# KiCad board servo.kicad_pcb (continued)
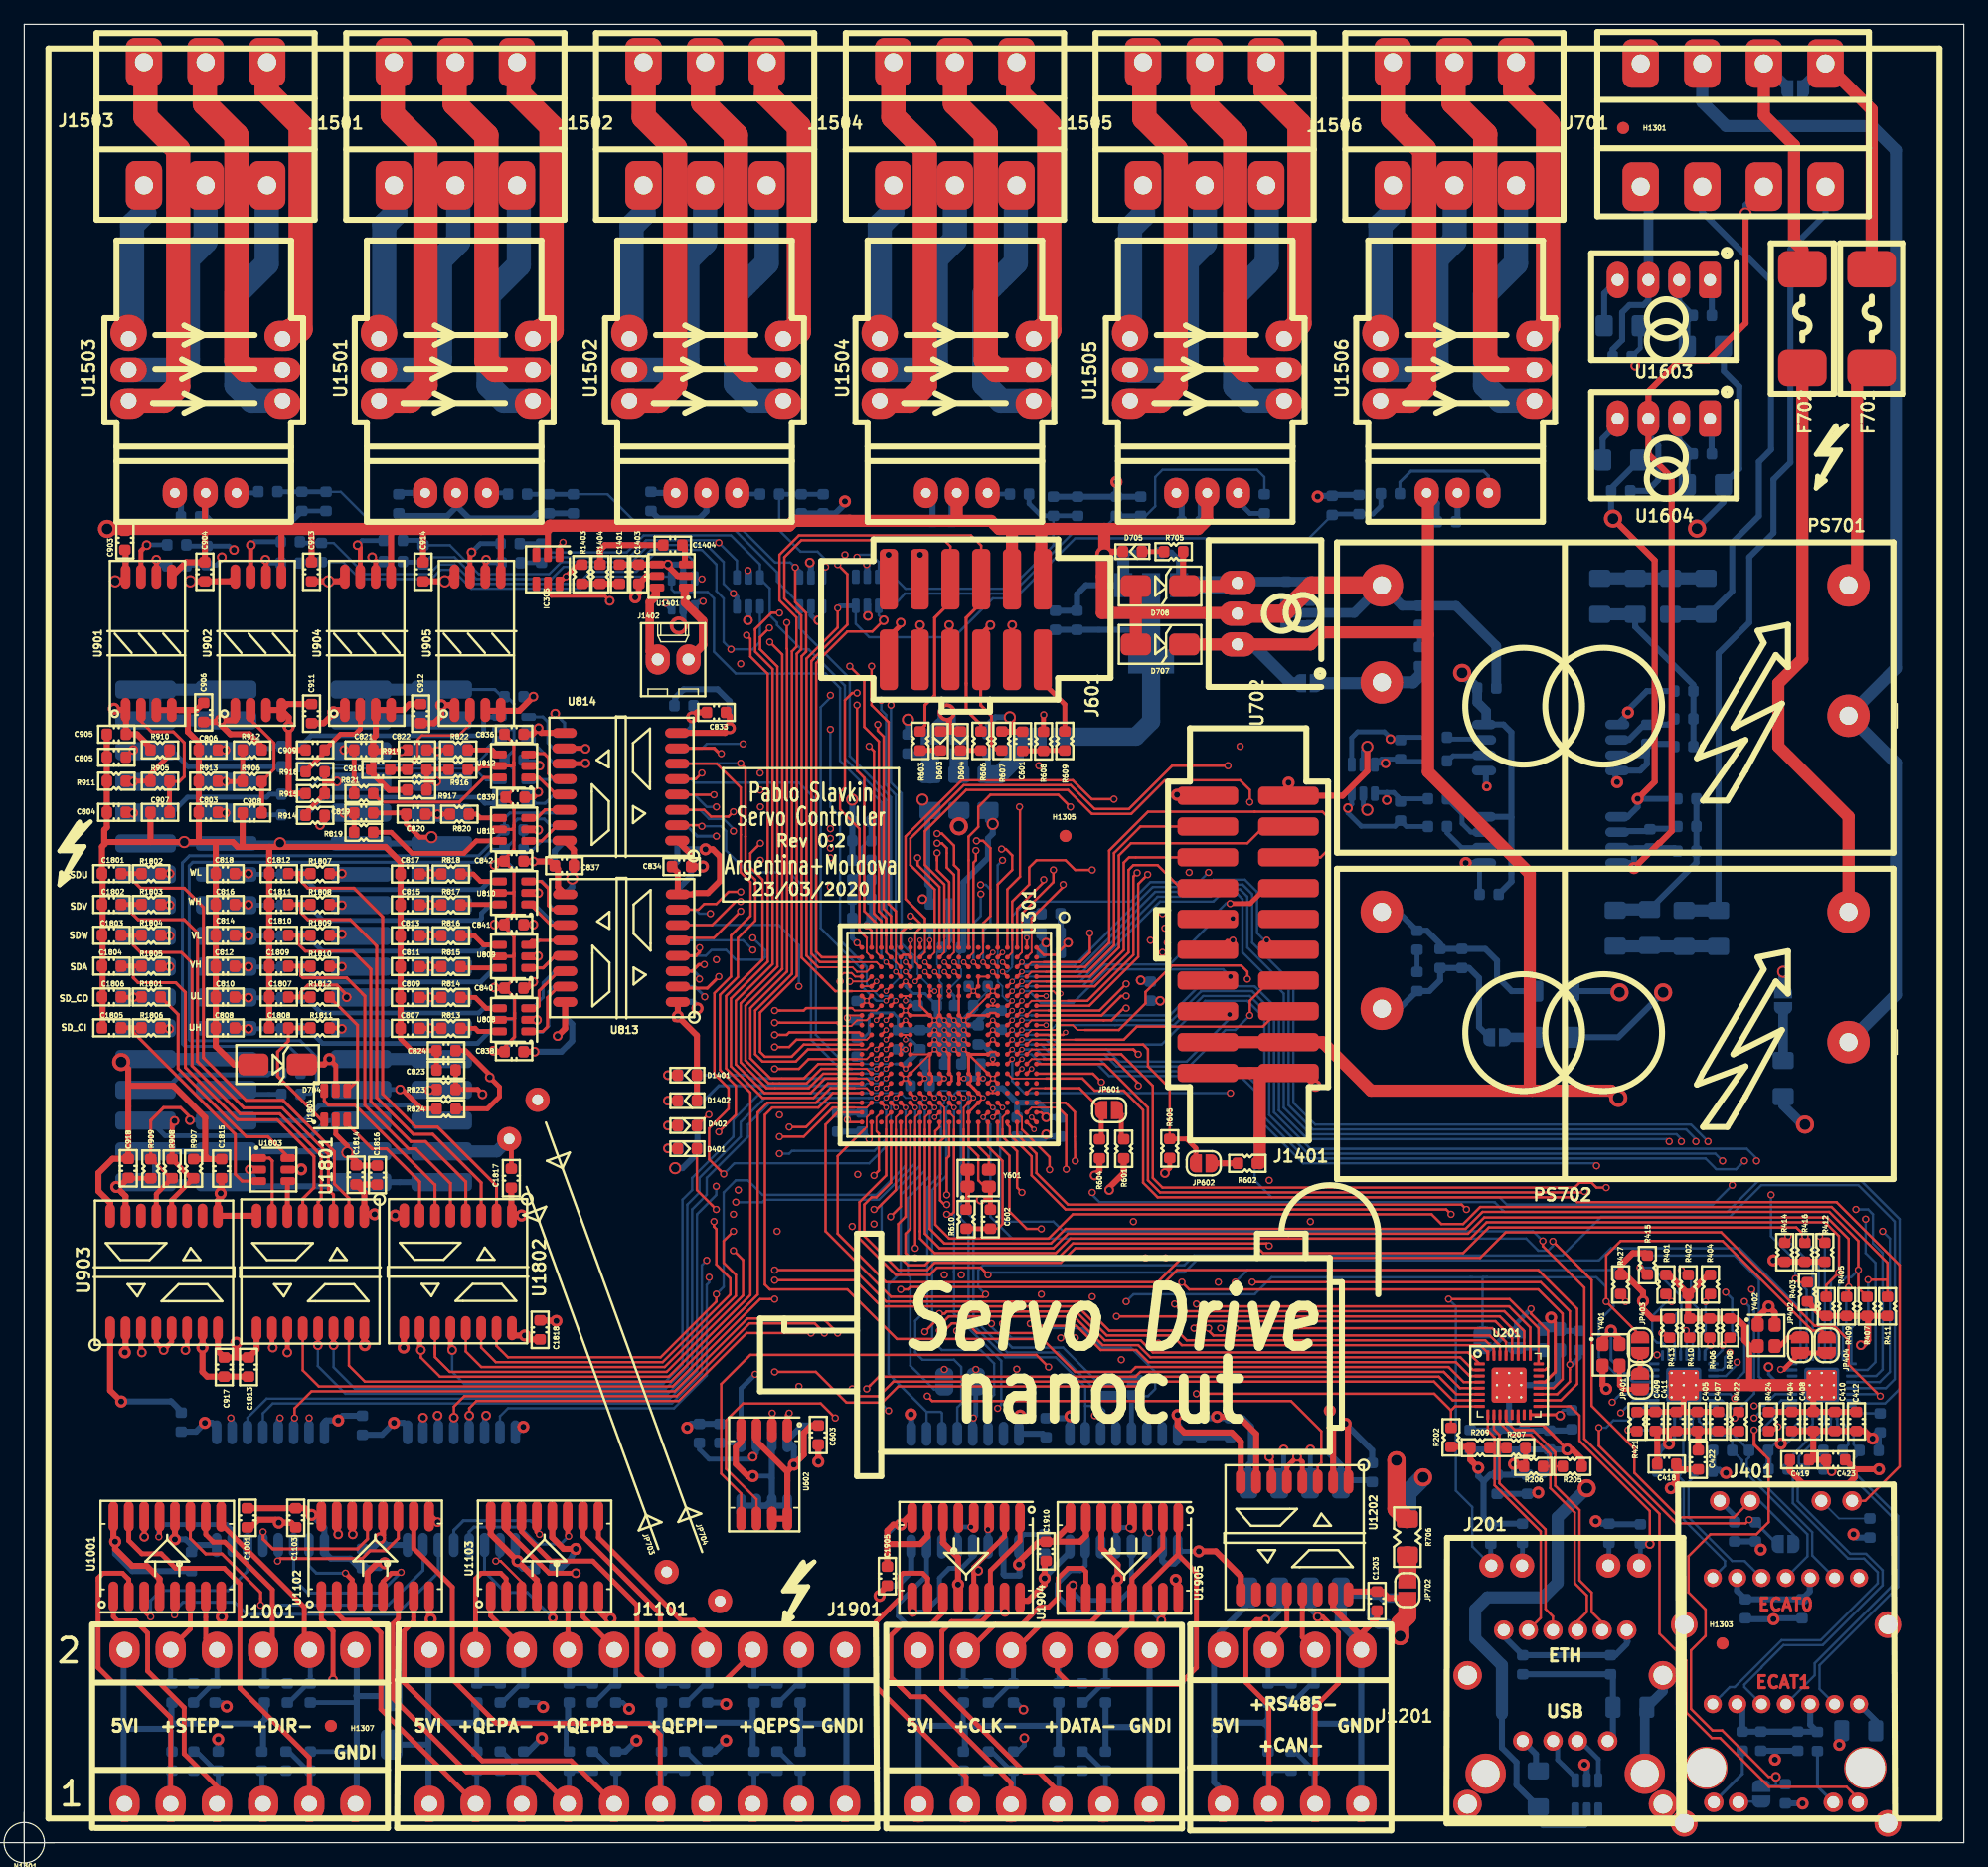
[diagram p0: board, top side]
## Routing (per net, layer and track width the routed paths; a pad name or vN(x,y) marks a point on that pad's centre or on a via; arc(x,y) is an arc through that point) (continued)
  Bottom w0.5: R437.1 143.9,32.32 R430.1 ; 126.65,42.35 126.65,42.35 126.61,42.35 ; 126.65,42.35 125.9,42.35 ; 126.65,42.35 126.65,42.36 ; 126.65,42.35 126.78,42.22 R204.2 ; v3(109.01,34.56) 111.2,32.37 C1204.2 ; 125.9,42.35 125.35,42.35 ; 125.9,42.35 125.96,42.4 v3(125.96,43.32) ; J401.9 141.3,21.84 141.3,20.78 C426.2 C428.2 147.3,20.73 147.3,21.81 J401.12 ; R208.1 130.78,26.26 R212.1 130.16,26.31 130.01,26.47 129.69,26.47 v3(129.64,26.52) ; 132.2,16.4 131.26,15.47 C214.2 ; R420.2 R419.2 ; R419.2 55.53,56.87 54.3,55.64 v7(53.7,55.64) ; R419.2 55.5,57.24 ; 122.68,84.58 122.68,91.59 122.03,92.24 120.58,92.24 ; 122.68,84.58 122.68,79.28 ; 122.68,84.58 122.64,84.62 120.58,84.62 ; 120.39,29.8 120.39,26.83 R211.1 121.06,26.31 R213.1 ; 120.39,29.8 120.94,30.35 C209.1 ; 120.39,29.8 119.95,30.24 v3(119.95,30.93) 119.28,31.6 C204.1 119.33,32.44 122.9,32.44 ; J401.5 147.33,9.74 R441.1 147.9,9.17 R442.1 141.73,11.01 J401.2 ; C1901.2 86.11,35.03 ; C703.2 94.62,106.43 95.26,105.78 U706.3 ; J201.7 132.2,16.7 132.28,16.61 ; U1908.1 86.26,34.88 ; 59.74,104.27 59.74,104.88 59.69,104.93 ; v3(152.47,33.34) 152.47,33.47 152.96,33.96 152.97,33.95 R440.1 ; 55.22,93.8 C825.1 55.21,92.95 v3(55.1,92.84) 55.1,92.04 54.58,91.52 U802.1 54.38,91.52 ; C209.1 122.9,30.35 ; C209.1 C202.2 ; C826.1 55.08,80.53 v3(55.99,80.53) ; C826.1 55.17,80.54 ; C826.1 55,80.48 55,79.74 53.93,78.67 U801.1 ; 122.68,79.28 122.69,79.29 ; 122.68,79.28 C1604.2 ; v4(149.1,30.64) 148.92,30.82 R432.1 148.44,32.33 R438.1 ; R435.1 139.31,32.35 139.31,30.75 139.84,30.75 140.09,30.51 v3(140.39,30.51) ; 122.9,30.35 C211.1 125.41,30.35 125.83,30.77 C207.1 ; 122.9,30.35 v3(122.9,31.24) 122.9,32.44 ; C429.2 C427.2 ; R446.1 R433.1 143.25,24.41 v3(143.25,24.18) 143.05,24.38 ; U1101.16 24.77,34.7 24.9,34.84 v3(25.9,34.84) 26.29,35.23 C1106.2 ; v3(146.7,3.24) 146.69,3.25 R434.1 ; 122.9,32.44 C207.1 ; C207.1 v3(127.28,32.44) ; 97.21,35.14 C1914.2 98.29,35.03 v3(98.4,35.14) 98.51,35.03 C1201.2 100.51,35.03 101.2,34.34 101.2,31.37 100.99,31.16 100.99,29.9 ; v3(63.49,31.19) 63.49,32.66 U401.8 64.16,34.43 C603.2 ; v3(135.69,32.92) 135.46,32.92 134.87,32.33 134.87,30.75 ; U1104.16 40.56,33.81 40.67,33.81 v3(41.17,34.31) ; v3(73.14,35.34) 73.17,35.32 U1901.1 ; v1(54,100.4) 54.38,100.78 54.38,102 ; C1101.2 12.95,35.59 12.12,36.42 12.1,36.4 v3(8,36.4) ; R417.1 R418.1 55.02,34.56 v3(54.7,34.24) ; 69.54,105.4 69.55,105.4 69.55,104.33 ; R445.1 151.17,25.17 v3(150.9,25.44) ; C216.2 C214.2 ; C214.2 122.05,17.04
  Bottom w0.8: U702.3 100.21,104.03 C705.2 C704.2 ; U702.3 100.19,103.83 ; U702.3 100.41,104.23 ; 120.6,92.42 120.6,93.34 119.86,94.08 C1603.2 v1(118.62,96.49)
  Bottom w1.5: 76.1,92.09 75.7,92.09 75.05,91.44 ; 76.1,92.09 76.75,91.44 ; 76.1,92.09 v1(76.1,93.24) ; U702.3 99.91,103.73 U706.3
  vias: v7(13.7,104.05)
3V3A: length 44.5
  Top w0.152: v2(72.7,69.44) 72.7,69.84 ; U301.P6 U301.R6
  Vcc.Cu w0.5: 71.1,85.84 71.1,77.84 ; 71.1,77.84 v4(74.1,77.84) ; 71.1,77.84 71.1,74.64 70.3,73.84 70.3,72.24 72.7,69.84 v2(72.7,69.44) ; v7(68.3,86.04) v7(74.1,86.04)
  Bottom w0.152: 73.9,85.84 74.6,85.14 L502.2 74.2,85.14
  Bottom w0.25: 74.73,84.87 L502.2 ; v2(72.7,69.44) 73.1,69.44 73.5,69.04 C520.1
  Bottom w0.5: L502.2 74.5,84.91 74.5,79.04 74.71,78.83 C529.2 74.31,77.84 v4(74.1,77.84) ; R301.2 C304.1 68.31,86.03 v7(68.3,86.04)
3V3uC: length 248
  Top w0.152: v2(79.9,69.44) 79.9,69.04 ; 79.9,69.04 U301.F7 ; 79.9,69.04 U301.E7 ; U301.F16 79.9,61.84 ; 79.9,61.84 v2(79.9,62.24) ; 79.9,61.84 U301.E16 ; v2(78.3,70.24) U301.G5 U301.G4 U301.F4 ; v2(78.3,70.24) U301.G6 ; v2(78.3,70.24) U301.H6 ; v2(78.3,70.24) U301.H5 ; U301.A9 v2(84.3,67.44) ; 72.3,65.44 U301.R11 ; 72.3,65.44 v2(72.7,65.44) ; 72.3,65.44 U301.R12 72.3,65.24 ; U301.M6 74.7,70.24 ; 74.7,70.24 v2(75.1,70.24) ; 74.7,70.24 U301.M5 ; v5(67.9,68.04) 68.1,68.24 U301.W8 ; U301.H17 77.5,60.64 77.5,58.84
  Top w0.2: v4(84.3,59.84) 83.9,60.24 U301.A18 ; U301.N14 73.92,63.44 v2(74.31,63.05) U301.N15 ; U301.V19 69.9,58.24 v5(69.7,58.04) ; 77.5,58.84 77.5,55.84 Y601.4 ; U301.E10 v2(79.9,67.04) U301.F10 ; U301.L14 v2(75.9,63.04) U301.L15 ; U301.P9 v2(72.7,67.84) U301.R9 ; U301.H16 v2(78.3,61.44) U301.H17 ; U301.B1 v2(82.7,74.64) ; 77.83,52.37 77.7,52.24 ; U301.M1 v2(74.7,74.44) U301.M1
  Top w0.25: U301.F13 79.9,64.24 ; 79.9,64.24 U301.E13 ; 79.9,64.24 v2(79.9,64.64)
  Top w0.4: 94.5,56.24 94.5,55.64 v4(94.1,55.24) ; 77.83,52.37 Y601.1 Y601.4
  Top w0.5: R604.1 88.7,55.44 v4(88.3,55.04)
  Vcc.Cu w0.152: 77.1,74.64 77.1,70.99 ; 74.21,63.05 v2(74.31,63.05) ; U301.H5 77.9,73.44 ; 73.5,71.84 74.3,71.04 ; 71.9,62.64 67.9,62.64 ; 71.9,63.44 67.9,63.44 ; 71.9,65.84 70.7,65.84 70.3,66.24 67.9,66.24 ; 71.9,64.24 67.9,64.24 ; 72.23,67.44 70.7,67.44 70.3,67.04 67.9,67.04 ; 68.01,61.94 67.9,61.84 ; 72.5,62.24 72.5,61.24 72.3,61.04 72.3,59.44 ; 73.1,59.44 73.1,61.04 72.9,61.24 72.9,62.24 ; 74.9,73.44 74.9,72.44 74.7,72.24 74.7,70.99 ; 76.3,70.99 76.3,73.44 ; 79.3,74.64 79.3,73.24 79.5,73.04 79.5,72.24 79.3,72.04 79.3,70.99 ; 75.5,70.99 75.5,73.44 ; 71.9,66.64 67.9,66.64 ; v2(79.9,67.04) 80.3,67.04 80.7,67.44 83.3,67.44 ; 78.72,73.44 78.72,70.66 v2(78.3,70.24)
  Vcc.Cu w0.4: 74.9,73.44 74.9,74.64 ; 77.29,74.65 77.1,74.46 77.1,73.44 ; 78.7,70.99 78.72,71.01 78.72,71.84 ; 77.9,71.84 77.9,70.99 ; 76.3,73.44 76.3,74.64 ; 77.9,73.44 77.9,74.64 ; 75.5,73.44 75.5,74.64 ; 74.7,74.12 v2(74.7,74.44)
  Vcc.Cu w0.5: 75.1,70.99 74.35,70.99 74.3,71.04 ; 75.1,70.99 v2(75.1,70.24) 74.7,70.24 73.5,69.04 73.5,68.44 72.9,67.84 v2(72.7,67.84) 72.5,67.76 ; 75.1,70.99 77.55,70.99 ; 77.55,70.99 79.5,70.99 ; 77.55,70.99 U301.H5 v2(78.3,70.24) 79.1,69.44 v2(79.9,69.44) ; v5(69.7,58.04) 69.7,59.44 ; 69.7,59.44 69.7,60.04 67.9,61.84 67.9,68.24 68.3,68.64 71.62,68.64 72.5,67.76 ; 69.7,59.44 72.3,59.44 73.1,59.44 ; 78.7,74.64 77.7,74.64 ; 78.7,74.64 v2(82.7,74.64) ; 78.7,74.64 78.72,74.62 ; 78.7,74.64 75.9,74.64 ; 78.7,74.64 78.72,74.62 ; v2(79.9,62.24) 84.3,62.24 ; v2(79.9,62.24) 80.9,62.24 80.9,63.64 80.7,63.84 ; v2(79.9,62.24) 78.3,62.24 ; 73.5,71.84 73.5,73.04 74.7,74.24 ; 72.5,67.76 71.9,67.04 71.9,65.84 ; 74.21,63.05 73.91,63.05 73.1,62.24 71.9,62.24 71.9,65.84 ; 83.3,67.44 v2(84.3,67.44) ; v2(84.3,67.44) 84.3,62.24 ; v2(84.3,67.44) 84.9,67.44 89.4,71.94 91.3,71.94 v4(92.1,71.14) ; 78.72,74.62 78.72,73.44 ; 78.3,62.24 78.3,61.52 ; 78.3,62.24 75.12,62.24 v2(74.31,63.05) 74.31,63.31 72.7,64.92 v2(72.7,65.44) 72.3,65.44 71.9,65.84 ; 80.7,63.84 v2(79.9,64.64) ; 80.7,63.84 80.7,66.84 80.5,67.04 v2(79.9,67.04) ; 84.3,62.24 v4(84.3,59.84) 86.7,59.84 88.3,58.24 v4(88.3,55.04) 93.9,55.04 v4(94.1,55.24) ; 75.9,74.64 74.9,74.64 ; 75.9,74.64 75.5,74.64
  Vcc.Cu w1: v1(77.1,83.84) 77.1,74.84 77.3,74.64
  Bottom w0.152: C505.1 78.3,70.25 v2(78.3,70.24) ; 74.31,63.05 v2(74.31,63.05) 74.69,62.67 C503.1 ; 75.89,63.05 v2(75.9,63.04) ; 71.91,65.44 71.9,65.45 ; C502.1 78.7,65.84 ; 74.7,74.04 73.7,73.04 73.7,71.64 U301.M5 v2(75.1,70.24) ; v2(82.7,74.64) 82.71,74.64 ; 92.69,71.04 92.7,71.03
  Bottom w0.2: C531.2 74.7,75.42 v2(74.7,74.44)
  Bottom w0.25: 80.7,67.05 79.91,67.05
  Bottom w0.5: v2(72.7,65.44) 71.91,65.44 ; C501.1 74.31,63.05 ; v2(74.31,63.05) 75.89,63.05 ; 68.98,58.77 68.87,58.65 C523.1 ; C515.1 81.9,61.04 ; 81.9,61.04 80.7,62.24 v2(79.9,62.24) ; 81.9,61.04 83.67,61.04 84.3,60.41 v4(84.3,59.84) 85.49,59.84 C517.1 ; 78.7,65.84 79.1,65.84 79.9,65.04 v2(79.9,64.64) ; v5(67.9,68.04) 68.09,67.85 C519.1 ; C525.1 83.1,76.64 82.7,76.24 v2(82.7,74.64) ; v5(69.7,58.04) 69.1,58.64 C518.1 ; 92.7,71.03 92.13,71.03 92.1,71.05 v4(92.1,71.14)
  Bottom w0.8: L501.2 77.1,84.34 77.24,84.2 77.29,84.2 ; 69.09,58.65 69.1,58.66
  Bottom w1: L501.2 77.1,84.44
5VB: length 65.8
  Vcc.Cu w1: v1(135.2,70.14) 135,70.34 135,72.48 134.97,72.51 138,75.54 v1(138,108.4)
  Bottom w0.5: L1603.1 140.17,122.47 140.21,122.43 140.21,121.41 141.48,120.14 141.48,113.32 L1604.1 140.17,110.57 v1(138,108.4) ; R703.2 131.5,66.44 v1(135.2,70.14)
5VC: length 353.9
  Top w0.5: 106.08,66.04 J1401.18 105.86,66.04 ; v3(50.4,102.73) 50.7,103.03 C1403.1 51.34,104.49 52.3,104.49 ; J601.2 71.32,106.22 v3(71.3,106.24)
  Top w1: 124.4,62.04 111.1,62.04 107.1,66.04 105.86,66.04 ; 124.4,62.04 124.2,62.24 124.2,79.94 115.8,88.34 115.8,99.64 ; 124.4,62.04 130.9,62.04 v1(131.5,61.44) ; 115.6,111.24 U1506.9 115.8,111.23 115.8,99.64 ; J1401.18 J1401.17 ; 115.8,99.64 115.6,99.84 107.1,99.84 106.1,98.84 U702.1 D707.1
  In3.Cu w1: v1(131.5,61.44) 131.5,60.64 127.1,56.24 127.1,53.04 127.9,52.24 127.9,42.44 125.1,39.64 125.1,31.64 127.5,29.24 v1(128.9,29.24)
  Vcc.Cu w0.5: 50,108.8 50.4,108.4 v3(50.4,102.73) ; 12.43,110.79 U1503.9 ; 53.74,108.94 53.6,108.8 ; 95.04,109.04 94.8,108.8 ; 33.08,109.02 33.3,108.8 ; 33.08,110.79 U1501.9
  Vcc.Cu w1: U1504.9 74.39,108.81 ; U1503.9 12.43,109.17 12.8,108.8 33.9,108.8 ; 33.9,108.8 71.3,108.8 ; 33.9,108.8 32.4,108.8 ; U1506.9 115.7,109.7 114.8,108.8 71.3,108.8 ; U1505.9 95.04,109.04 ; U1501.9 33.08,109.02 ; 71.3,108.8 v3(71.3,106.24) ; U1502.9 53.74,108.94
  Bottom w0.5: 128.91,2.74 128.91,1.64 128.7,1.44 125.3,1.44 124.9,1.84 R210.1 123.1,4.76 123.1,6.64 121.9,7.84 121.9,10.64 ; C1510.2 74.93,110.8 U1504.9 ; C1504.2 12.93,110.84 U1503.9 ; C1511.2 95.48,110.9 U1505.9 ; U1506.9 116.54,110.5 C1512.2 ; 33.58,110.84 U1501.9 31.01,111.34 C1505.2 ; 124.71,2.96 124.71,2.92 ; C1508.2 51.79,111.34 U1502.9
  Bottom w0.8: 100.31,99.05 U702.1 ; U702.1 100.11,98.85 C702.2 C701.2 ; U702.1 100.29,98.65
  Bottom w1: U702.1 101.3,98.84 104.5,95.64 JP701.2 ; v1(128.9,29.24) 126.5,26.84 126.5,21.44 125.3,20.24 120.7,20.24 119.7,19.24 119.7,16.84 121.9,14.64 121.9,10.64
5VH: length 60.2
  Top w1.5: v1(113.2,31.54) 113.2,27.54 114.04,26.7 R706.1
  In3.Cu w1.5: v1(113.2,31.54) 112,32.75 PS702.4
  Vcc.Cu w0.5: PS702.4 112,67.98
  Bottom w0.5: 112.84,68.79 PS702.4 113.44,68.79 R702.1 115.91,70.25 116.8,71.14 C708.2 C710.2 119.19,72.15 120.01,71.33 120.01,67.28 JP706.1
5VI: length 538.2
  Top w0.5: U1001.4 11.17,21.78 10.1,22.84 8.9,22.84 7.5,24.24 v3(7.5,24.84) 7.36,24.99 7.36,27.15 ; JP702.2 112.55,20.19 112.01,20.73 C1203.2 109.48,20.73 U1202.16 ; 88.85,27.04 88.85,24.29 90.2,22.95 v3(90.2,21.74) 90.14,21.69 90.14,21.22 90.12,21.19 U1905.12 ; C1001.2 C1103.2 23.15,27.59 v3(23.7,27.04) 24.38,27.04 U1102.16 ; U1103.16 38.48,25.46 42.29,21.65 U1103.4 ; U1904.12 77.06,21.27 v3(77.04,21.3) 77.04,23.51 75.79,24.75 U1904.6 ; C1910.2 84.18,23.13 v3(84.18,21.82) 84.18,21.31 82.82,19.96 U1904.16 ; v3(95,21.69) 95,21.4 95.2,21.19 U1905.16 ; v3(29.73,23.06) 29.12,23.06 28.32,22.26 28.32,19.82 ; C1905.2 70.56,20.58 v3(70.56,20.37)
  Top w1.5: 114.1,19.84 114.1,18.7 113.5,18.1 v1(113.5,17.04)
  Vcc.Cu w0.5: 24,22.14 24.2,21.94 23.7,22.44 v3(23.7,27.04) ; 40.5,20.14 40.7,20.34 v3(40.7,23.24)
  Vcc.Cu w1: JP704.1 57.4,19.54
  Vcc.Cu w1.5: 33.42,8.24 19.7,8.24 18.1,6.64 13.7,6.64 12.5,7.84 8.28,7.84 ; 33.42,8.24 J1101.1a ; 33.42,8.24 J1101.1b 31.43,15.91 29.8,17.54 29.8,20.14 30.1,20.44 31.1,20.44 ; 33.42,8.24 36.7,8.24 38.3,6.64 61.1,6.64 62.7,8.24 73.79,8.24 ; 8.4,21.94 8.28,21.81 8.28,7.84 ; 8.4,21.94 8.3,22.04 8.3,24.04 v3(7.5,24.84) ; 8.4,21.94 8.9,21.44 23.7,21.44 ; 23.7,21.44 v3(23.7,27.04) ; 23.7,21.44 24.7,20.44 31.1,20.44 ; 8.2,5.74 8.28,5.67 8.28,4.94 ; v3(77.04,21.3) 71.5,21.3 v3(70.56,20.37) ; v3(77.04,21.3) 77.49,20.84 83.2,20.84 v3(84.18,21.82) 86.1,23.74 88.4,23.74 90.2,21.95 v3(90.2,21.74) 94.95,21.74 v3(95,21.69) 95,19.78 J1201.1b 98.87,8.44 ; v3(77.04,21.3) 77.04,19.77 73.79,16.53 J1901.1b 73.79,8.24 ; 31.1,20.44 50.7,20.44 52,19.14 55.2,19.14 55.2,19.15 55.99,19.94 JP704.1 ; 8.28,7.84 8.28,4.94 ; 8.28,4.94 8.28,3.21 ; 98.87,8.44 110.6,8.44 113.5,11.34 v1(113.5,17.04) ; 98.87,8.44 J1201.1a ; 98.87,8.44 86.5,8.44 84.7,6.64 80.3,6.64 78.7,8.24 73.79,8.24 ; J1901.1a 73.79,8.24
  Bottom w0.4: 59.94,9.86 59.9,9.91 ; R1107.1 52.58,9.83 52.5,9.91 ; R1101.1 37.34,9.77 37.2,9.91 ; 44.7,7.53 44.7,9.68 44.87,9.84 ; R1906.1 77.47,9.78 77.6,9.65
  Bottom w0.5: R1110.1 60.1,7.62 60.1,10.01 ; v3(7.5,24.84) 7.5,23.84 8.93,22.41 C1105.2 ; U1104.1 40.51,23.43 v3(40.7,23.24) 40.7,23.04 41.14,22.61 C1104.2 ; R1116.1 52.5,11.49 52.5,9.91 ; R1004.1 19.7,7.63 19.7,9.64 19.5,9.84 ; 73.79,9.54 J1901.1a ; 73.79,9.54 73.9,9.65 77.6,9.65 ; 73.79,9.54 J1901.1b ; 8.28,15.91 8.2,15.83 8.2,3.28 8.28,3.21 ; 85.2,7.53 85.34,7.67 85.34,9.65 ; R1201.1 102.62,9.53 102.31,9.84 102.31,9.91 ; 102.31,9.91 98.41,9.91 98.16,9.65 ; 102.31,9.91 102.62,10.22 R1204.1 ; 85.34,9.65 R1903.1 ; 85.34,9.65 77.6,9.65 ; 77.6,9.65 77.6,7.66 R1911.1 ; 19.5,9.84 12.14,9.84 ; 19.5,9.84 19.9,10.24 19.9,11.48 R1007.1 ; 12.14,9.84 11.7,9.4 ; 12.14,9.84 12.14,11.52 R1010.1 ; 11.7,9.4 11.89,9.4 12.1,9.18 12.1,7.62 R1001.1 ; 11.7,9.4 8.26,9.4 8.2,9.34 ; 33.35,9.94 33.35,15.84 J1101.1b ; 33.35,9.94 33.35,3.28 J1101.1a ; 33.35,9.94 33.38,9.91 37.2,9.91 ; v3(95,21.69) 95.05,21.69 ; R1122.1 37.3,11.53 37.3,10.01 37.2,9.91 ; R1113.1 60.1,11.47 60.1,10.01 ; 100.99,20.38 100.99,19.73 98.6,17.34 98.6,16.18 J1201.1b 98.16,15.19 98.16,9.65 ; J1201.1a 98.87,4.29 98.16,5 98.16,9.65 ; R1119.1 44.87,11.47 44.87,9.84 ; 44.8,9.91 44.87,9.84 ; 44.8,9.91 37.2,9.91 ; 44.8,9.91 44.7,9.81 ; 44.87,9.84 52.33,9.84 ; v3(23.7,27.04) 24.77,25.98 U1101.1 24.77,23.98 25.3,23.44 26.9,23.44 27.68,22.67 C1102.2 29.34,22.67 v3(29.73,23.06) 29.54,23.25 ; v3(70.56,20.37) 70.56,20.58 C1904.2 72.01,21.21 73.17,22.37 U1901.16 ; 60.1,10.01 60,9.91 52.8,9.91 ; C1913.2 v3(84.18,21.82) 84.18,21.9 86.26,23.98 U1908.16 ; 37.2,9.91 37.34,10.04 ; D703.1 33.2,8.1
  Bottom w0.8: C1202.2 111.2,18.54 111.7,18.04 112.5,18.04 v1(113.5,17.04)
5VP: length 397.9
  Top w0.152: 22.81,55.58 v3(22.84,55.54)
  Top w0.25: 40.38,89.12 40.38,86.91 C839.1 40.4,85.55 40.4,85.24 ; 40.38,89.12 40.38,88.84 40.36,88.82 39.31,88.82 ; 40.38,89.12 40.38,90.68 C836.1 ; 40.4,78.44 40.4,76.78 39.62,76 C841.1 ; 40.4,78.44 40.31,78.35 39.31,78.35 ; 40.4,78.44 40.4,80.14 39.62,80.92 C842.1 39.62,81.16 40.4,81.94 40.4,83.94 ; 40.4,85.24 40.4,85.47 ; 40.4,85.24 40.4,83.94 ; R912.1 19.59,90.35 ; 40.4,73.34 40.4,73.11 39.31,73.11 ; 40.4,73.34 40.4,74.74 39.62,75.52 C841.1 ; 40.4,73.34 40.4,71.27 C840.1 ; 39.31,83.58 40.24,83.58 40.4,83.74 40.4,83.94 ; 39.57,86.31 39.57,86.31 ; C840.1 38.59,70.49 ; C840.1 39.65,70.49 40.45,69.69 40.45,68.43 ; 38.58,75.78 38.63,75.73 C841.1 ; 39.03,65.34 39.12,65.25 C838.1 39.62,65.64 40.45,66.47 40.45,68.43 ; 40.45,68.43 40.45,67.97 39.31,67.97 ; 17.4,93.13 17.61,93.34
  Top w0.4: 39.31,88.82 37.68,88.82 37.4,88.54 R916.1 ; U1804.5 25.7,64.11 v3(25.17,64.64) ; 21.65,55.52 22.33,55.52 22.38,55.58 22.81,55.58
  Top w0.5: C840.1 38.85,70.49 v4(38.8,70.54) ; v4(44,66.54) 44.62,67.16 U813.16 ; v4(24.4,83.94) 24.79,84.33 R914.1 ; R912.1 19.59,90.42 18.57,91.44 17,91.44 16.2,92.24 v3(16.2,92.58) ; v3(25.17,64.64) 24.73,64.2 D704.1 ; v3(16.2,92.58) 16.07,92.45 C906.2 ; v3(16.2,92.58) 17.41,92.58 U902.1 ; 15.2,56.39 14.93,56.66 14.93,59.83 12.31,62.44 8.59,62.44 ; 15.2,56.39 R907.1 ; 15.2,56.39 C1815.1 ; 8.59,62.44 C918.2 7.29,56.41 6.12,55.25 6.12,53.75 7.09,52.78 U903.16 ; 8.59,62.44 8.59,63.81 v1(8,64.4) ; U904.1 25.68,93.44 v3(25.5,93.26) 25.5,93.14 24.71,92.35 C911.2 ; C1817.1 40.18,51.79 ; U814.16 45.34,81.89 C837.1 45.34,79.68 v7(45.2,79.54) ; v3(28.9,51.84) 28.18,51.84 U1801.1 28.06,53.63 C1814.1 27.41,54.28 C1816.1 ; v4(38.7,65.34) 38.79,65.25 C838.1 ; U1802.1 v3(41.03,51.74) ; v4(38.8,80.64) 39.13,80.96 C842.1 ; v3(7.4,93.54) 7.5,93.44 U901.1 8.39,93.41 C905.2 9.3,91.44 10.41,90.33 R910.1 ; U905.1 35.1,93.84 v3(34.4,93.84) 34.4,92.94 33.81,92.35 C912.2 ; 26.45,93.39 26.45,93
  Vcc.Cu w0.5: 41.15,51.62 v3(41.03,51.74) ; v7(45.2,79.54) 39,79.54 38.8,79.34 ; v4(43.8,93.14) 40.2,93.14 38.8,91.74 ; 7.81,92.44 7.1,92.44 7.4,92.74 v3(7.4,93.54) ; v4(24.4,83.94) 24.1,84.24 24.1,93.64 24.2,93.74 ; v4(44,66.54) 38.7,66.54
  Vcc.Cu w1: 22.84,64.49 23,64.64 ; 24.93,64.4 v3(25.17,64.64)
  Vcc.Cu w1.5: J1704.32 15.72,92.44 7.1,92.44 5.8,91.14 5.8,65.54 6.94,64.4 v1(8,64.4) 8.24,64.64 v3(25.17,64.64) 25.87,65.34 39.2,65.34 42.35,62.19 JP704.2 ; J1704.32 15.86,92.8 ; J1704.32 17.02,93.74 36.8,93.74 38.8,91.74 v4(38.8,75.74) v4(38.8,70.54) 38.7,70.44 v4(38.7,65.34) ; 28.9,53.54 39.24,53.54 v3(41.03,51.74) ; 28.9,53.54 23.8,53.54 22.84,54.5 v3(22.84,55.54) 22.84,64.49 ; 28.9,53.54 v3(28.9,51.84)
  Bottom w0.152: 39.3,73.14 39.31,73.13
  Bottom w0.25: U802.16 44.58,92.36 v4(43.8,93.14) ; C829.1 40.4,71.31 40.4,73.13 40.2,73.13 ; C829.1 39.5,70.4 ; C829.1 40.4,69.71 40.4,67.94 ; C829.1 38.83,70.51 v4(38.8,70.54) ; 40.4,67.94 40.36,67.9 39.31,67.9 39.3,67.9 ; 40.4,67.94 40.4,66.07 C830.1 39.56,65.34 39.03,65.34 ; 40.4,78.14 40.4,76.53 C828.1 ; 40.4,78.14 40.4,80.34 39.8,80.94 38.8,80.94 ; 40.4,78.14 40.4,78.34 40.38,78.36 39.31,78.36 ; 40.2,73.13 40.39,73.13 40.39,74.95 39.62,75.72 C828.1 ; 40.2,73.13 39.31,73.13 ; 38.58,75.78 39.59,75.78 C828.1 ; 33.64,95.12 38.82,95.12 39.4,94.54 C835.1 39.8,94.54 40.4,93.94 40.4,90.14 39.62,89.36 C831.1 40.36,88.56 40.36,86.89 40.16,86.69 39.31,86.69 ; 40.4,91.82 39.31,91.82